# Altium PCB 20门锁控（160412）.PcbDoc
Units mil, origin at the board's own origin, x right, y up, seen from the top; angles counter-clockwise.
Board outline 3943.04 x 4730.44 mil, 2 copper layers (Top Layer, Bottom Layer); 177 components, 132 nets, 616 pads, 118 vias.
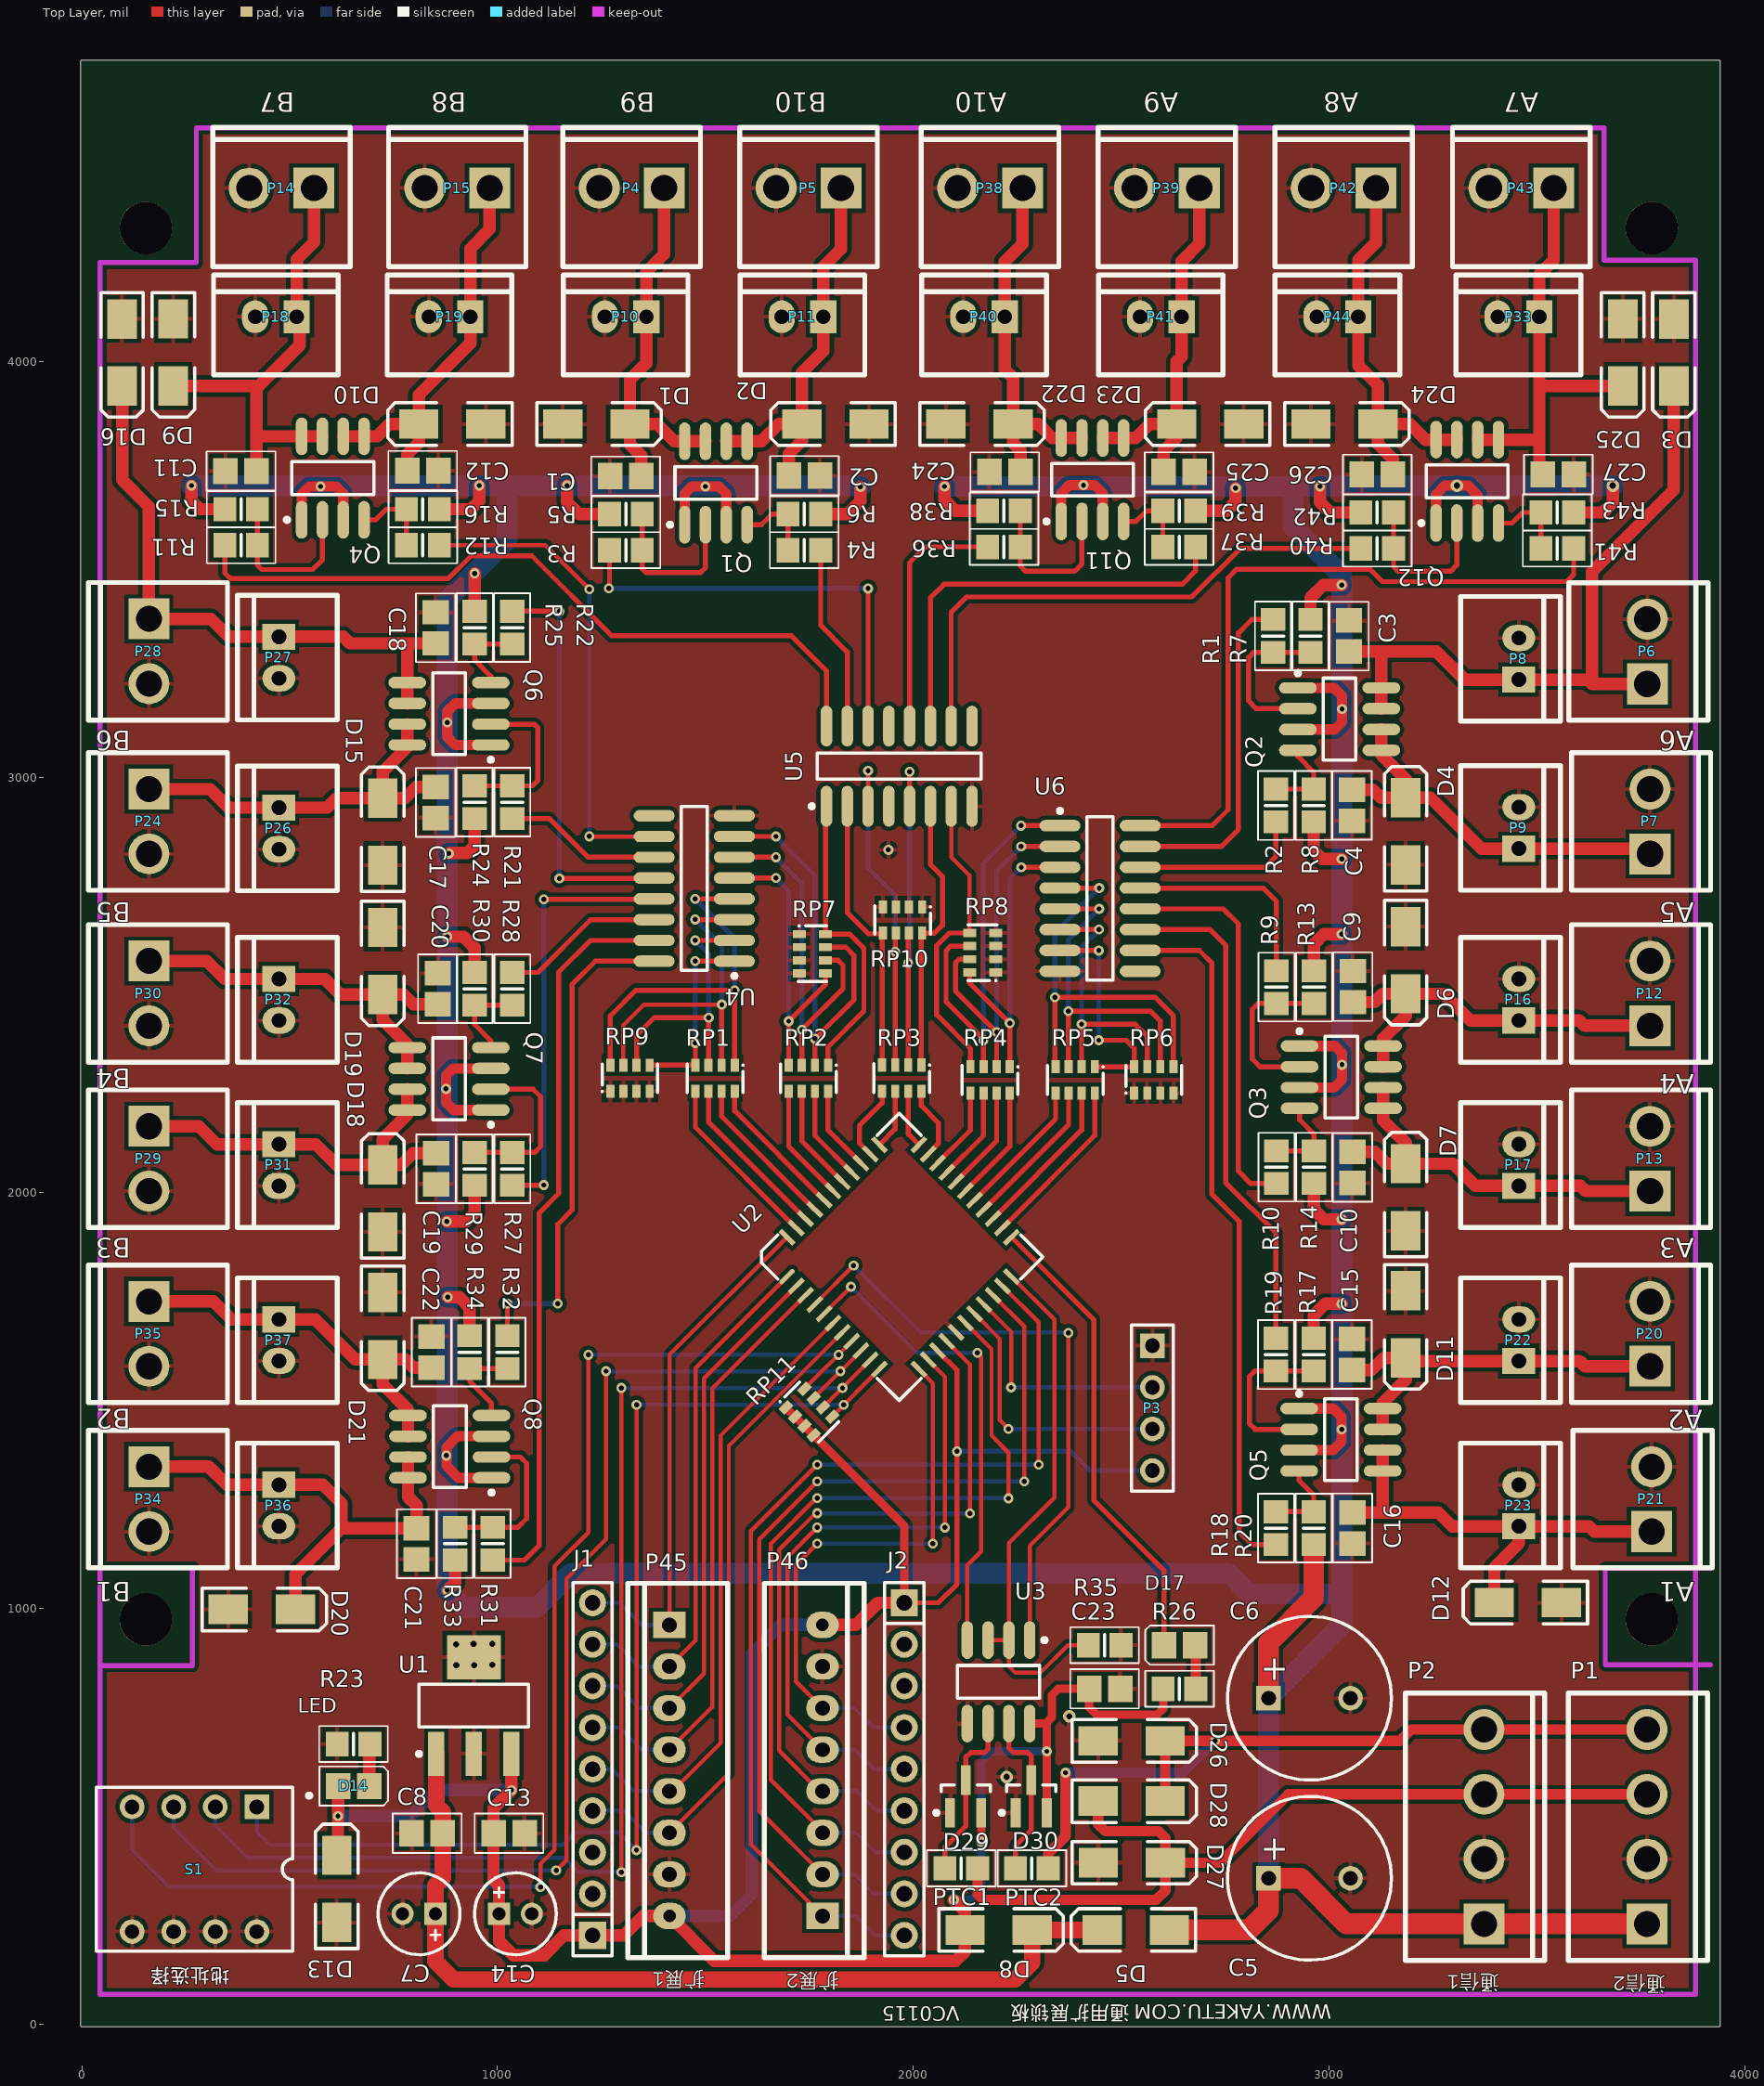
[diagram p0: Top Layer view]
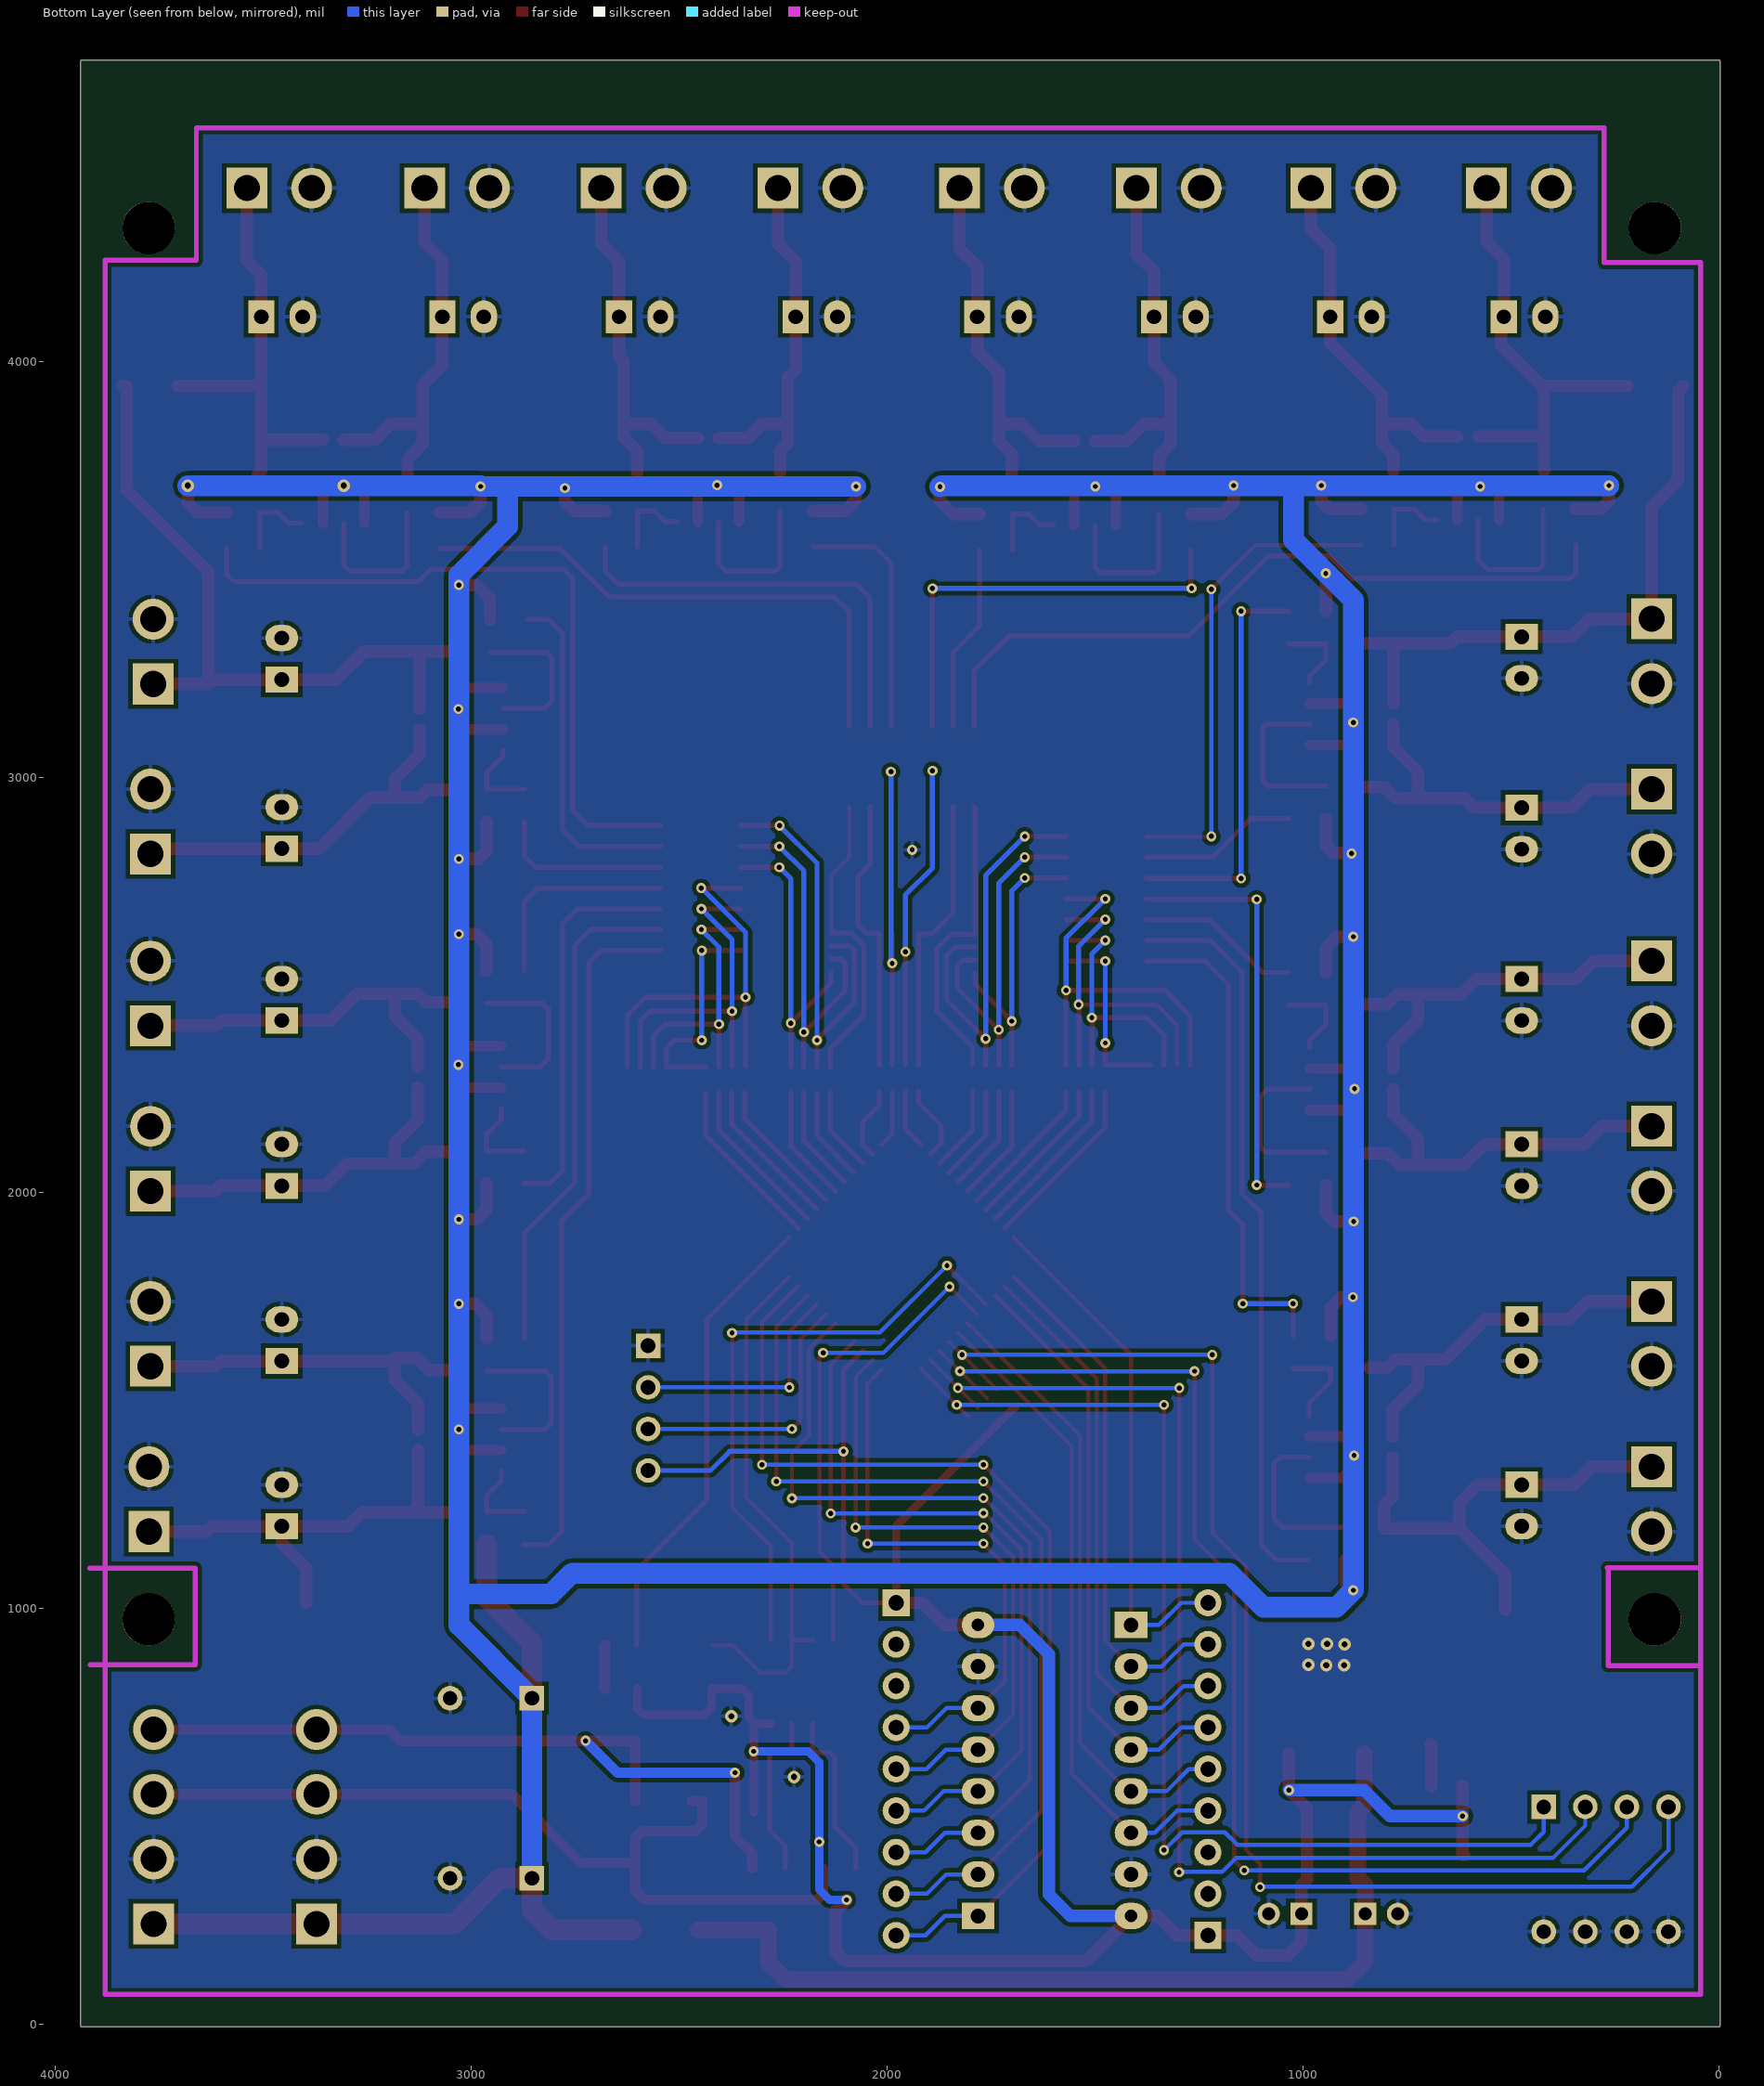
[diagram p1: Bottom Layer view, seen from below]

## Layer stack, top to bottom
Top Solder: solder mask 0.4, Solder Resist, Dk 3.5
Top Layer: signal copper 1.4
Dielectric 1: dielectric 12.6, FR-4, Dk 4.8
Bottom Layer: signal copper 1.4
Bottom Solder: solder mask 0.4, Solder Resist, Dk 3.5

## Board outline
-3.03,-3.03 ccw(c-0.02,-3.03) -0.02,-6.05 3936.99,-6.05 ccw(c3936.99,-3.03) 3940.01,-3.03 3940.01,4721.38 ccw(c3936.99,4721.38) 3936.49,4724.35 ccw(c3935.98,4721.38) 3935.98,4724.39 -0.02,4724.39 ccw(c-0.02,4721.38) -3.03,4721.38

## Design rules (kind name [scope] priority, off if disabled: settings)
Clearance [All] p1: gap=10
HoleSize [All] p1: absolutevalues=TRUE maxlimit=500 minlimit=1 maxpercent=80.000 minpercent=20.000
PolygonConnect [All] p1: connectstyle=Relief reliefconductorwidth=10 reliefentries=4 polygonreliefangle="90 Angle" airgapwidth=10
RoutingVias [All] p1: holewidth=28 width=50 viastyle="Through Hole" minholewidth=28 minwidth=50 maxholewidth=28 maxwidth=50
SolderMaskExpansion [All] p1: expansion=4
Width [All] p1: maxlimit=50 minlimit=10 preferedwidth=12
28 further rules are at their usual default settings.

## Components (designator, comment, footprint, x,y, rotation, side; value= is the part's Value field where it differs from the comment)
C1 "0.1uF" CAPC2012M 1307.98,3723.93 r0 top
C2 "0.1uF" CAPC2012M 1737.98,3724.93 r180 top
C3 "0.1uF" CAPC2012M 3047.98,3338.93 r270 top
C4 "0.1uF" CAPC2012M 3054.98,2931.93 r90 top
C5 "1000uF" CAPPR5-10x12.5 2952.74,351.3 r0 top
C6 "1000uF" CAPPR5-10x12.5 2952.74,784.37 r0 top
C7 "Cap Pol2" CAPPR2-5x11.5 811.05,265.95 r180 top
C8 "0.1uF" CAPC2012M 830.69,459.57 r0 top
C9 "0.1uF" CAPC2012M 3056.98,2495.93 r270 top
C10 "0.1uF" CAPC2012M 3055.98,2060.93 r90 top
C11 "0.1uF" CAPC2012M 382.98,3735.93 r0 top
C12 "0.1uF" CAPC2012M 819.98,3736.93 r180 top
C13 "0.1uF" CAPC2012M 1027.54,459.57 r0 top
C14 "Cap Pol2" CAPPR2-5x11.5 1042.9,265.95 r0 top
C15 "0.1uF" CAPC2012M 3054.98,1610.93 r270 top
C16 "0.1uF" CAPC2012M 3055.98,1193.93 r90 top
C17 "0.1uF" CAPC2012M 850.98,2938.93 r90 top
C18 "0.1uF" CAPC2012M 850.98,3358.93 r270 top
C19 "0.1uF" CAPC2012M 851.98,2057.93 r90 top
C20 "0.1uF" CAPC2012M 855.98,2490.93 r270 top
C21 "0.1uF" CAPC2012M 804.98,1155.93 r90 top
C22 "0.1uF" CAPC2012M 840.98,1616.93 r270 top
C23 "0.1uF" CAPC2012M 2459.98,806.93 r0 top
C24 "0.1uF" CAPC2012M 2219.98,3733.93 r0 top
C25 "0.1uF" CAPC2012M 2638.98,3733.93 r180 top
C26 "0.1uF" CAPC2012M 3115.98,3727.93 r0 top
C27 "0.1uF" CAPC2012M 3550.98,3727.93 r180 top
D1 "1N4007" DSO-C2/X1.8 1237.66,3848.98 r0 top
D2 "1N4007" DSO-C2/X1.8 1812.46,3848.98 r180 top
D3 "1N4007" DSO-C2/X1.8 3829,4021 r270 top
D4 "1N4007" DSO-C2/X1.8 3183.98,2869.37 r90 top
D5 "1N4007" DSO-C2/X1.8 2534.98,226.93 r180 top
D6 "1N4007" DSO-C2/X1.8 3183.98,2559.37 r270 top
D7 "1N4007" DSO-C2/X1.8 3183.98,1989.37 r90 top
D8 "1N4007" DSO-C2/X1.8 2204.98,226.93 r0 top
D9 "1N4007" DSO-C2/X1.8 219.98,4021.26 r270 top
D10 "1N4007" DSO-C2/X1.8 891.2,3848.98 r180 top
D11 "1N4007" DSO-C2/X1.8 3183.98,1683.62 r270 top
D12 "1N4007" DSO-C2/X1.8 3477.82,1014.33 r180 top
D13 "TVS" DSO-C2/X1.8 613.19,325.79 r90 top
D14 "LED" LED2012M 653.88,573.03 r0 top
D15 "1N4007" DSO-C2/X1.8 723.6,2868.66 r90 top
D16 "1N4007" DSO-C2/X1.8 97,4021 r270 top
D17 "LED" LED2012M 2639.98,911.93 r180 top
D18 "1N4007" DSO-C2/X1.8 723.6,1986.77 r90 top
D19 "1N4007" DSO-C2/X1.8 723.6,2557.64 r270 top
D20 "1N4007" DSO-C2/X1.8 432.98,998.01 r0 top
D21 "1N4007" DSO-C2/X1.8 723.6,1679.69 r270 top
D22 "1N4007" DSO-C2/X1.8 2158.92,3848.98 r0 top
D23 "1N4007" DSO-C2/X1.8 2714.04,3848.98 r180 top
D24 "1N4007" DSO-C2/X1.8 3036.87,3848.98 r0 top
D25 "1N4007" DSO-C2/X1.8 3706.17,4021.26 r270 top
D26 "TVS" DSO-C2/X1.8 2524.98,681.93 r0 top
D27 "TVS" DSO-C2/X1.8 2525.59,388.78 r0 top
D28 "TVS" DSO-C2/X1.8 2524.98,536.93 r0 top
D29 "BAV99-A7" SOT23-3M 2125.97,548.15 r90 top
D30 "BAV99-A7" SOT23-3M 2283.45,548.15 r90 top
J1 "Res" SIP9 1228.35,613.87 r180 top
J2 "Res" SIP9 1978.35,613.87 r0 top
P1 "Header 4" VH396-4 3910,154 r90 top
P2 "Header 4" VH396-4 3518,154 r90 top
P3 "Header 4" HDR1X4 2575,1632 r270 top
P4 "Header 2" VH396-2 1487.98,4562.2 r180 top
P5 "Header 2" VH396-2 1913.37,4562.2 r180 top
P6 "Header 2" VH396-2 3910.89,3136.38 r90 top
P7 "Header 2" VH396-2 3917.31,2727.72 r90 top
P8 "Header 2" XH254-2 3455.98,3234.37 r90 top
P9 "Header 2" XH254-2 3455.98,2827.72 r90 top
P10 "Header 2" XH254-2 1357.98,4107.11 r180 top
P11 "Header 2" XH254-2 1783.37,4107.11 r180 top
P12 "Header 2" VH396-2 3917.31,2314.33 r90 top
P13 "Header 2" VH396-2 3917.31,1916.69 r90 top
P14 "Header 2" VH396-2 645.85,4562.2 r180 top
P15 "Header 2" VH396-2 1068.37,4562.2 r180 top
P16 "Header 2" XH254-2 3455.98,2414.33 r90 top
P17 "Header 2" XH254-2 3455.98,2016.69 r90 top
P18 "Header 2" XH254-2 516.98,4107.11 r180 top
P19 "Header 2" XH254-2 934.51,4107.11 r180 top
P20 "Header 2" VH396-2 3917.31,1495.43 r90 top
P21 "Header 2" VH396-2 3921.24,1097.8 r90 top
P22 "Header 2" XH254-2 3455.98,1595.43 r90 top
P23 "Header 2" XH254-2 3455.98,1197.8 r90 top
P24 "Header 2" VH396-2 15.73,3058.43 r270 top
P26 "Header 2" XH254-2 473.98,2926.37 r270 top
P27 "Header 2" XH254-2 473.98,3337.37 r270 top
P28 "Header 2" VH396-2 15.73,3467.87 r270 top
P29 "Header 2" VH396-2 15.73,2247.4 r270 top
P30 "Header 2" VH396-2 15.73,2645.04 r270 top
P31 "Header 2" XH254-2 473.98,2116.69 r270 top
P32 "Header 2" XH254-2 473.98,2514.33 r270 top
P33 "Header 2" XH254-2 3505.38,4107.11 r180 top
P34 "Header 2" VH396-2 15.73,1428.5 r270 top
P35 "Header 2" VH396-2 15.73,1826.14 r270 top
P36 "Header 2" XH254-2 473.98,1297.8 r270 top
P37 "Header 2" XH254-2 473.98,1695.43 r270 top
P38 "Header 2" VH396-2 2349.98,4562.2 r180 top
P39 "Header 2" VH396-2 2774.98,4562.2 r180 top
P40 "Header 2" XH254-2 2219.98,4107.11 r180 top
P41 "Header 2" XH254-2 2644.98,4107.11 r180 top
P42 "Header 2" VH396-2 3199.98,4562.2 r180 top
P43 "Header 2" VH396-2 3627.43,4562.2 r180 top
P44 "Header 2" XH254-2 3069.98,4107.11 r180 top
P45 "Header 8" XH254-8 1413.39,960.63 r270 top
P46 "Header 8" XH254-8 1781.5,260.63 r90 top
PTC1 "JK60-010" RESC2012M 2114.98,375.2 r0 top
PTC2 "JK60-010" RESC2012M 2284.98,375.2 r0 top
Q1 "SI4953DY" SO8_M 1525.06,3707.24 r90 top
Q2 "SI4953DY" SO8_M 3024.98,3139.37 r0 top
Q3 "SI4953DY" SO8_M 3029.24,2278.17 r0 top
Q4 "SI4953DY" SO8_M 603.8,3719.06 r90 top
Q5 "SI4953DY" SO8_M 3028.24,1406.09 r0 top
Q6 "SI4953DY" SO8_M 883.33,3152.13 r180 top
Q7 "SI4953DY" SO8_M 883.33,2274.17 r180 top
Q8 "SI4953DY" SO8_M 884.98,1389.37 r180 top
Q11 "SI4953DY" SO8_M 2430.57,3715.12 r90 top
Q12 "SI4953DY" SO8_M 3332.15,3711.18 r90 top
R1 "10K" RESC2012M 2864.98,3339.37 r270 top
R2 "10K" RESC2012M 2872.26,2931.65 r90 top
R3 "10K" RESC2012M 1308.53,3545.83 r0 top
R4 "10K" RESC2012M 1737.66,3545.83 r180 top
R5 "10K" RESC2012M 1308.53,3632.44 r180 top
R6 "10K" RESC2012M 1737.66,3632.44 r0 top
R7 "10K" RESC2012M 2954.98,3339.37 r90 top
R8 "10K" RESC2012M 2962.81,2931.65 r270 top
R9 "10K" RESC2012M 2873.26,2494.71 r270 top
R10 "10K" RESC2012M 2873.26,2061.64 r90 top
R11 "10K" RESC2012M 383.33,3557.64 r0 top
R12 "10K" RESC2012M 820.34,3557.64 r180 top
R13 "10K" RESC2012M 2963.81,2494.71 r90 top
R14 "10K" RESC2012M 2963.81,2061.64 r270 top
R15 "10K" RESC2012M 383.33,3644.25 r180 top
R16 "10K" RESC2012M 820.34,3644.25 r0 top
R17 "10K" RESC2012M 2872.26,1610.82 r270 top
R18 "10K" RESC2012M 2872.26,1193.5 r90 top
R19 "10K" RESC2012M 2962.81,1610.82 r90 top
R20 "10K" RESC2012M 2962.81,1193.5 r270 top
R21 "10K" RESC2012M 1035.38,2939.53 r90 top
R22 "10K" RESC2012M 1034.98,3359.37 r270 top
R23 "1K" RESC2012M 653.54,674.21 r0 top
R24 "10K" RESC2012M 944.83,2939.53 r270 top
R25 "10K" RESC2012M 944.98,3359.37 r90 top
R26 "1K" RESC2012M 2639.98,806.93 r180 top
R27 "10K" RESC2012M 1035.38,2057.64 r90 top
R28 "10K" RESC2012M 1035.38,2490.71 r270 top
R29 "10K" RESC2012M 944.83,2057.64 r270 top
R30 "10K" RESC2012M 944.83,2490.71 r90 top
R31 "10K" RESC2012M 988.13,1156.06 r90 top
R32 "10K" RESC2012M 1023.57,1616.69 r270 top
R33 "10K" RESC2012M 897.58,1156.06 r270 top
R34 "10K" RESC2012M 933.02,1616.69 r90 top
R35 "10K" RESC2012M 2459.98,911.93 r180 top
R36 "10K" RESC2012M 2217.98,3553.7 r0 top
R37 "10K" RESC2012M 2639.24,3553.7 r180 top
R38 "10K" RESC2012M 2217.98,3640.32 r180 top
R39 "10K" RESC2012M 2639.24,3640.32 r0 top
R40 "10K" RESC2012M 3115.61,3549.76 r0 top
R41 "10K" RESC2012M 3548.69,3549.76 r180 top
R42 "10K" RESC2012M 3115.61,3636.38 r180 top
R43 "10K" RESC2012M 3548.69,3636.38 r0 top
RP1 "500" EXB38V 1523.06,2275.39 r180 top
RP2 "500" EXB38V 1747.47,2275.39 r180 top
RP3 "500" EXB38V 1971.98,2275.68 r180 top
RP4 "500" EXB38V 2184.48,2271.45 r180 top
RP5 "500" EXB38V 2389.2,2271.45 r180 top
RP6 "1K" EXB38V 2578.18,2271.45 r0 top
RP7 "1K" EXB38V 1756.98,2575.05 r270 top
RP8 "1K" EXB38V 2166.67,2577.53 r90 top
RP9 "1K" EXB38V 1318.34,2275.39 r0 top
RP10 "1K" EXB38V 1973.88,2656.06 r180 top
RP11 "10K" EXB38V 1748.98,1472.68 r315 top
S1 "SW DIP-4" SWITCH-8 271,373 r270 top
U1 "LM7805" SOT223-4M 942.91,766.73 r90 top
U2 "STC15F2K60S2" LQFP-44 1965.98,1845.68 r45 top
U3 "MAX485ESA" SO8_M 2204.71,823.74 r270 top
U4 "ULN2003" SO16_M 1472.98,2732.04 r180 top
U5 "ULN2003" SO16_M 1966.01,3026.14 r90 top
U6 "ULN2003" SO16_M 2448.98,2708.04 r0 top

## Footprints (in the part's own frame and the unit in brackets; to place one, negate y for a bottom-side part, rotate by r counter-clockwise, add the part's x,y. Pads: shape width x height; smd on the part's side, far side on the other; paste and mask are expansions set on the pad)
CAPC2012M [mm] "Chip Capacitor, Body 2.0x1.3mm, IPC Low Density"
  rect 1.5x1.6 smd: 1(-0.95,0) 2(0.95,0)
  silkscreen extent -2.1,-1.2 2.1,1.2, body extent -1.1,-0.72 1.1,0.72, height 1.1
CAPPR2-5x11.5 [mm] "Capacitor, Electrolytic, Radial; Body 5 x 11.5 mm (Dia.xH typ); Pin Spacing 2 mm (typ)"
  rect 1.35x1.35 hole 0.8: 1(-1,0)
  round 1.35 hole 0.8: 2(1,0)
  silkscreen extent -2.5,-2.5 2.5,2.5
CAPPR5-10x12.5 [mm] "Capacitor, Electrolytic, Radial; Body 10 x 12.5 mm (Dia.xH typ); Pin Spacing 5 mm (typ)"
  rect 1.5x1.5 hole 0.9: 1(-2.5,0)
  round 1.5 hole 0.9: 2(2.5,0)
  silkscreen extent -5,-5 5,5
DSO-C2/X1.8 [mm] "DO-214-AC/SMA; 2 C-Bend Leads; Body 5 x 2.7 mm, inc. leads (LxW)"
  rect 2.4x1.8 smd: 1(-2.05,0) 2(2.05,0)
  silkscreen extent -3.65,-1.3 3.95,1.3
EXB38V [mm] "Chip Resistor Array, (0603x4); SM; 8 Leads; Body 3.40 x 1.75 mm (LxW max)"
  rect 0.5x0.8 smd: 1(-1.2,-0.8) 2(-0.4,-0.8) 3(0.4,-0.8) 4(1.2,-0.8) 5(1.2,0.8) 6(0.4,0.8) 7(-0.4,0.8) 8(-1.2,0.8)
  silkscreen extent -1.75,-0.87 1.7,0.87
HDR1X4 [mm] "Connector; Header; 4 Position"
  rect 1.5x1.5 hole 0.9: 1(0,0)
  round 1.5 hole 0.9: 2(2.54,0) 3(5.08,0) 4(7.62,0)
  silkscreen extent -1.27,-1.27 8.89,1.27
LED2012M [mm] "Chip LED, Body 2.0x1.3mm, IPC Low Density"
  rect 1.5x1.6 smd: 1(-0.95,0) 2(0.95,0)
  silkscreen extent -2.1,-1.2 2.1,1.2, body extent -1.1,-0.72 1.1,0.72, height 1.1
LQFP-44 [mm]
  oval 1.2x0.3 smd: 1(-5.7,4)
  rect 1.2x0.3 smd: 2(-5.7,3.2) 3(-5.7,2.4) 4(-5.7,1.6) 5(-5.7,0.8) 6(-5.7,0) 7(-5.7,-0.8) 8(-5.7,-1.6) 9(-5.7,-2.4) 10(-5.7,-3.2) 11(-5.7,-4) 23(5.7,-4) 24(5.7,-3.2) 25(5.7,-2.4) 26(5.7,-1.6) 27(5.7,-0.8) 28(5.7,0) 29(5.7,0.8) 30(5.7,1.6) 31(5.7,2.4) 32(5.7,3.2) 33(5.7,4)
  rect 0.3x1.2 smd: 12(-4,-5.7) 13(-3.2,-5.7) 14(-2.4,-5.7) 15(-1.6,-5.7) 16(-0.8,-5.7) 17(0,-5.7) 18(0.8,-5.7) 19(1.6,-5.7) 20(2.4,-5.7) 21(3.2,-5.7) 22(4,-5.7) 34(4,5.7) 35(3.2,5.7) 36(2.4,5.7) 37(1.6,5.7) 38(0.8,5.7) 39(0,5.7) 40(-0.8,5.7) 41(-1.6,5.7) 42(-2.4,5.7) 43(-3.2,5.7) 44(-4,5.7)
  silkscreen extent -6.2,-6.2 6.2,6.2
RESC2012M [mm] "Chip Resistor, Body 2.0x1.3mm, IPC Low Density"
  rect 1.4x1.5 smd: 1(-1,0) 2(1,0)
  silkscreen extent -2.1,-1.1 2.1,1.1, body extent -1.07,-0.7 1.07,0.7, height 0.65
SIP9 [mm]
  rect 1.65x1.65 / inner round 1.65 / far side rect 1.65x1.65 hole 0.95: 1(0,10.16)
  round 1.65 hole 0.95: 2(0,7.62) 3(0,5.08) 4(0,2.54) 5(0,0) 6(0,-2.54) 7(0,-5.08) 8(0,-7.62) 9(0,-10.16)
  silkscreen extent -1.2,-11.4 1.2,11.4
SO8_M [mm] "SOIC, 8-Leads, Body 4.9x3.9mm, Pitch 1.27mm, IPC Low Density"
  oval 2.3x0.7 smd: 1(-2.55,1.905) 2(-2.55,0.635) 3(-2.55,-0.635) 4(-2.55,-1.905) 5(2.55,-1.905) 6(2.55,-0.635) 7(2.55,0.635) 8(2.55,1.905)
  silkscreen extent -2.67,-2.5 1,2.93, body extent -2,-2.5 2,2.5, height 1.75
SO16_M [mm] "SOIC, 16-Leads, Body 9.9x3.9mm, Pitch 1.27mm, IPC Low Density"
  oval 2.5x0.7 smd: 1(-2.45,4.445) 2(-2.45,3.175) 3(-2.45,1.905) 4(-2.45,0.635) 5(-2.45,-0.635) 6(-2.45,-1.905) 7(-2.45,-3.175) 8(-2.45,-4.445) 9(2.45,-4.445) 10(2.45,-3.175) 11(2.45,-1.905) 12(2.45,-0.635) 13(2.45,0.635) 14(2.45,1.905) 15(2.45,3.175) 16(2.45,4.445)
  silkscreen extent -2.58,-5 0.8,5.47, body extent -2,-5 2,5, height 1.75
SOT23-3M [mm] "SOT23, 3-Leads, Body 2.9x1.3mm, Pitch 0.95mm, Lead Span 2.5mm, IPC Low Density"
  rect 1.8x0.6 smd: 1(-1,0.95) 2(-1,-0.95) 3(1,0)
  silkscreen extent -1.12,-1.5 0.7,1.92, body extent -0.7,-1.5 0.7,1.5, height 1.1
SOT223-4M [mm] "SOT223/SC73, 4-Leads, Body 6.5x3.5mm, Pitch 2.3mm, Lead Span 7mm, IPC Low Density"
  rect 2.7x1 smd: 1(-2.95,2.3) 2(-2.95,0) 3(-2.95,-2.3)
  rect 2.7x3.3 smd: 4(2.95,0)
  silkscreen extent -3.07,-3.35 1.3,3.47, body extent -1.85,-3.35 1.85,3.35, height 1.8
SWITCH-8 [mm] "DIP; 8 Leads; Row Spacing 7.62 mm; Pitch 2.54 mm"
  rect 1.5x1.5 hole 0.9: 1(-3.81,3.81)
  round 1.5 hole 0.9: 2(-3.81,1.27) 3(-3.81,-1.27) 4(-3.81,-3.81) 5(3.81,-3.81) 6(3.81,-1.27) 7(3.81,1.27) 8(3.81,3.81)
  silkscreen extent -5,-6 5,7.13, body extent -5,-6 5,6, height 6.2
VH396-2 [mm]
  rect 2.5x2.5 hole 1.6: 1(2.22,3.7)
  round 2.5 hole 1.6: 2(6.18,3.7)
  silkscreen extent 0,0 8.4,8.5
VH396-4 [mm]
  rect 2.5x2.5 hole 1.6: 1(2.22,3.7)
  round 2.5 hole 1.6: 2(6.18,3.7) 3(10.14,3.7) 4(14.1,3.7)
  silkscreen extent 0,0 16.32,8.5
XH254-2 [mm]
  rect 1.6x2 hole 0.9: 1(0,0)
  oval 1.6x2 hole 0.9: 2(2.54,0)
  silkscreen extent -2.54,-2.54 5.08,3.56
XH254-8 [mm]
  rect 1.6x2 hole 0.9: 1(0,0)
  oval 1.6x2 hole 0.9: 2(2.54,0) 3(5.08,0) 4(7.62,0) 5(10.16,0) 6(12.7,0) 7(15.24,0)
  oval 1.6x2 hole 0.76: 8(17.78,0)
  silkscreen extent -2.54,-2.54 20.32,3.56

## Part data
C1 C2 C3 C4 C8 C9 C10 C11 C12 C13 C15 C16 C17 C18 C19 C20 C21 C22 C23 C24 C25 C26 C27: library part Cap, "Capacitor"
C5 C6: library part "Cap Pol4", "Polarized Capacitor (1000uf)"
C7 C14: "Polarized Capacitor (22uf-47uf)"
D1 D2 D3 D4 D5 D6 D7 D8 D9 D10 D11 D12 D15 D16 D18 D19 D20 D21 D22 D23 D24 D25: library part Diode, "Default Diode"
D13 D26 D27 D28: "TVS瞬态抑制二极管"
D14 D17: "Typical INFRARED GaAs LED"
J1 J2: library part "Res Pack2"
P1 P2 P3: "Header, 4-Pin"
P4 P5 P6 P7 P8 P9 P10 P11 P12 P13 P14 P15 P16 P17 P18 P19 P20 P21 P22 P23 P24 P26 P27 P28 P29 P30 P31 P32 P33 P34 P35 P36 P37 P38 P39 P40 P41 P42 P43 P44: "Header, 2-Pin"
P45 P46: "Header, 8-Pin"
PTC1 PTC2 R1 R2 R3 R4 R5 R6 R7 R8 R9 R10 R11 R12 R13 R14 R15 R16 R17 R18 R19 R20 R21 R22 R23 R24 R25 R26 R27 R28 R29 R30 R31 R32 R33 R34 R35 R36 R37 R38 R39 R40 R41 R42 R43: library part Res, "Resistor"
Q1 Q2 Q3 Q4 Q5 Q6 Q7 Q8 Q11 Q12: "Dual P-Channel 30V (D-S) Rated  MOSFET"
RP1 RP2 RP3 RP4 RP5 RP6 RP7 RP8 RP9 RP10 RP11: library part "Res Pack"
S1: "DIP Switch, 4 Position, SPST"
U2: "LQFP44"
U3: "Low-Power, Slew-Rate-Limited RS-485/RS-422 Transceiver"
U4 U5 U6: "Seven Darlington Array"

## Free pads (board coordinates)
  round 125.98 hole 125.98 unplated paste+0: 0(153.98,973.93) 0(153.98,4320.39) 0(3776.03,973.93) 0(3776.03,4320.39)
